# KiCad board universal_interface_adapter.kicad_pcb
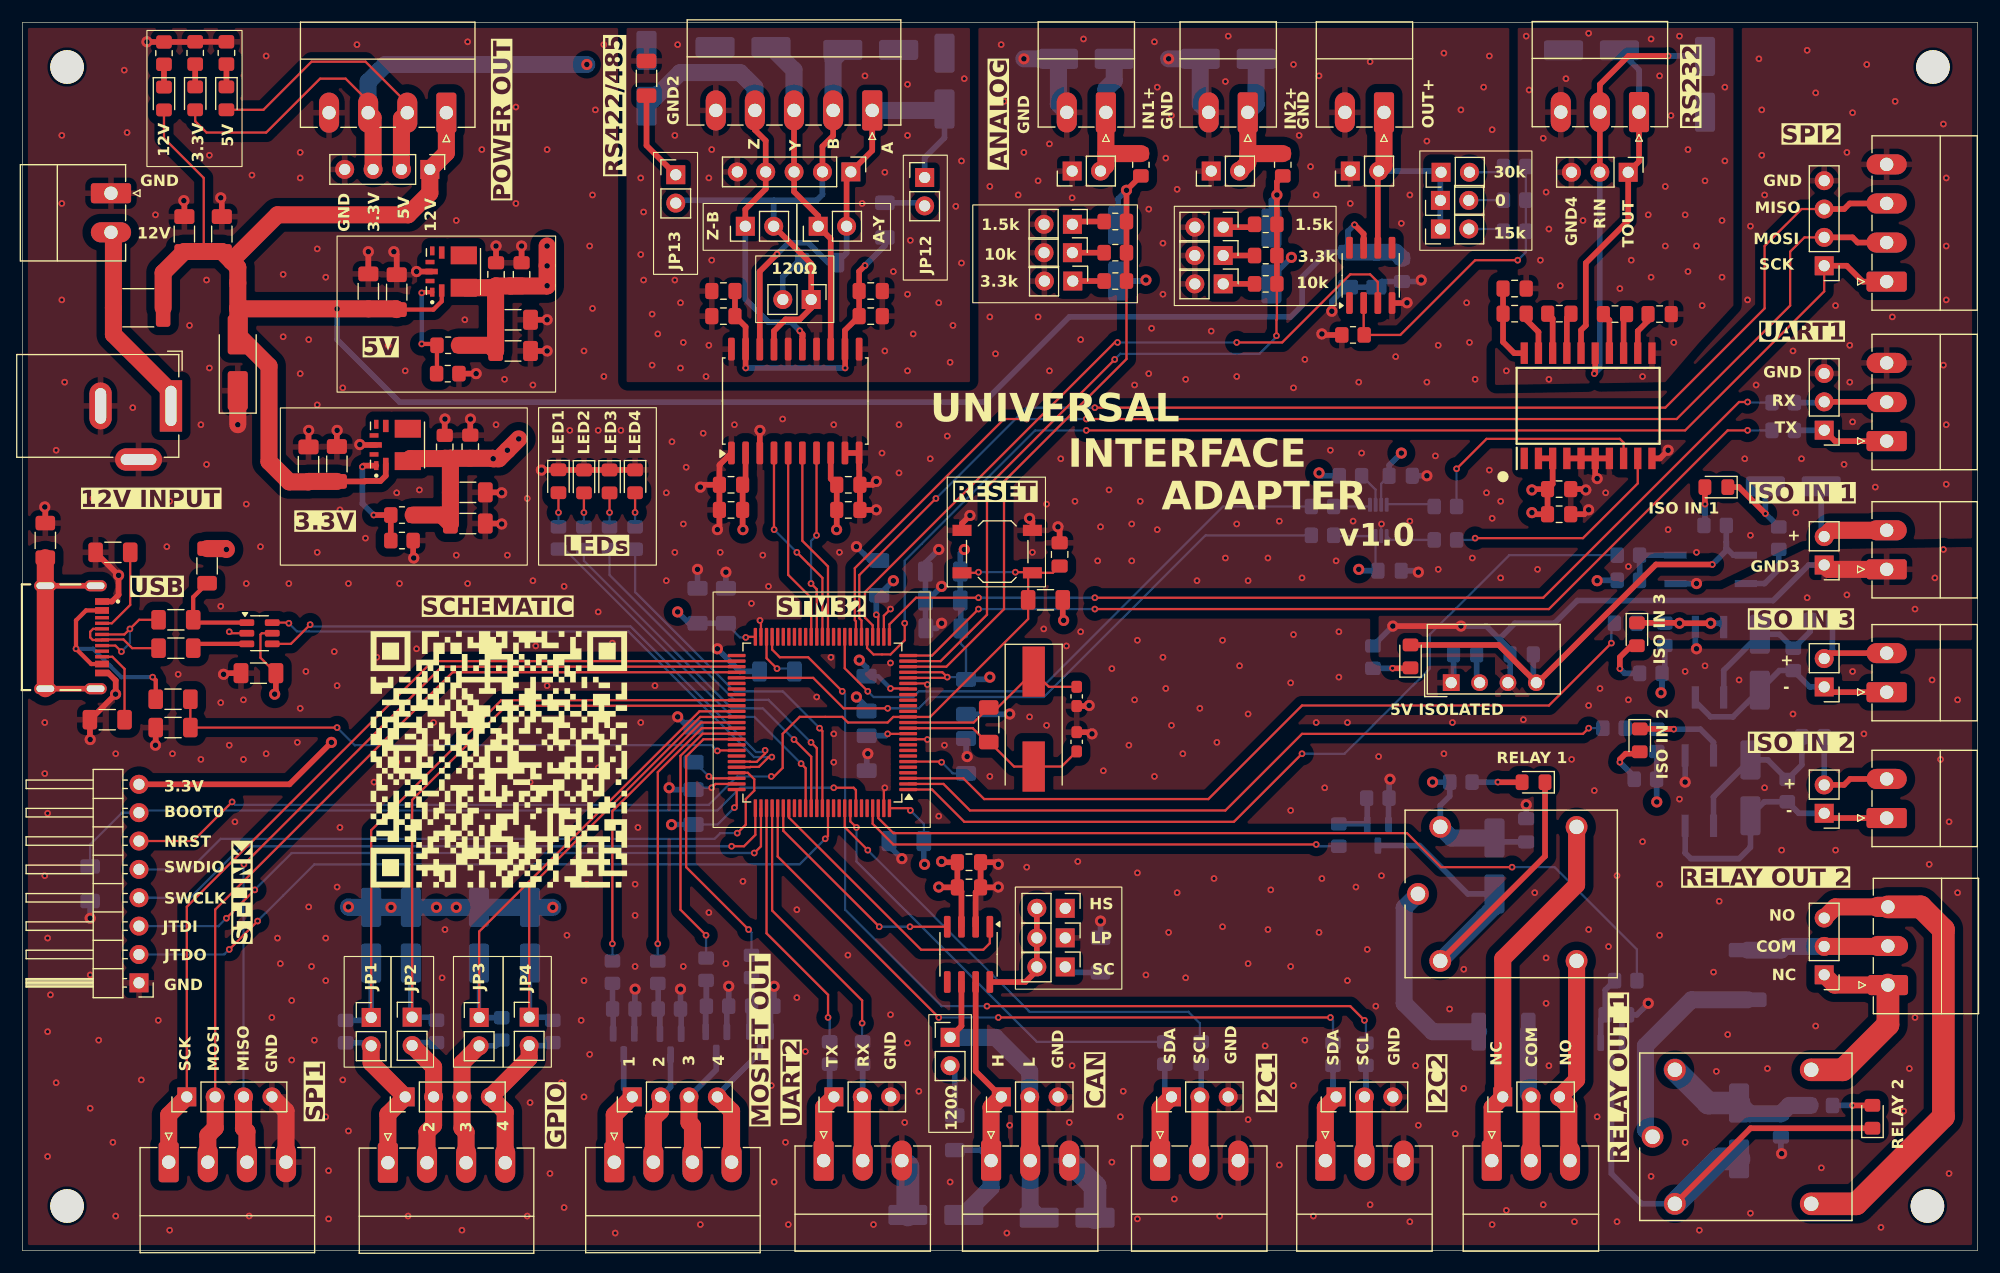
[diagram p0: board, top side]
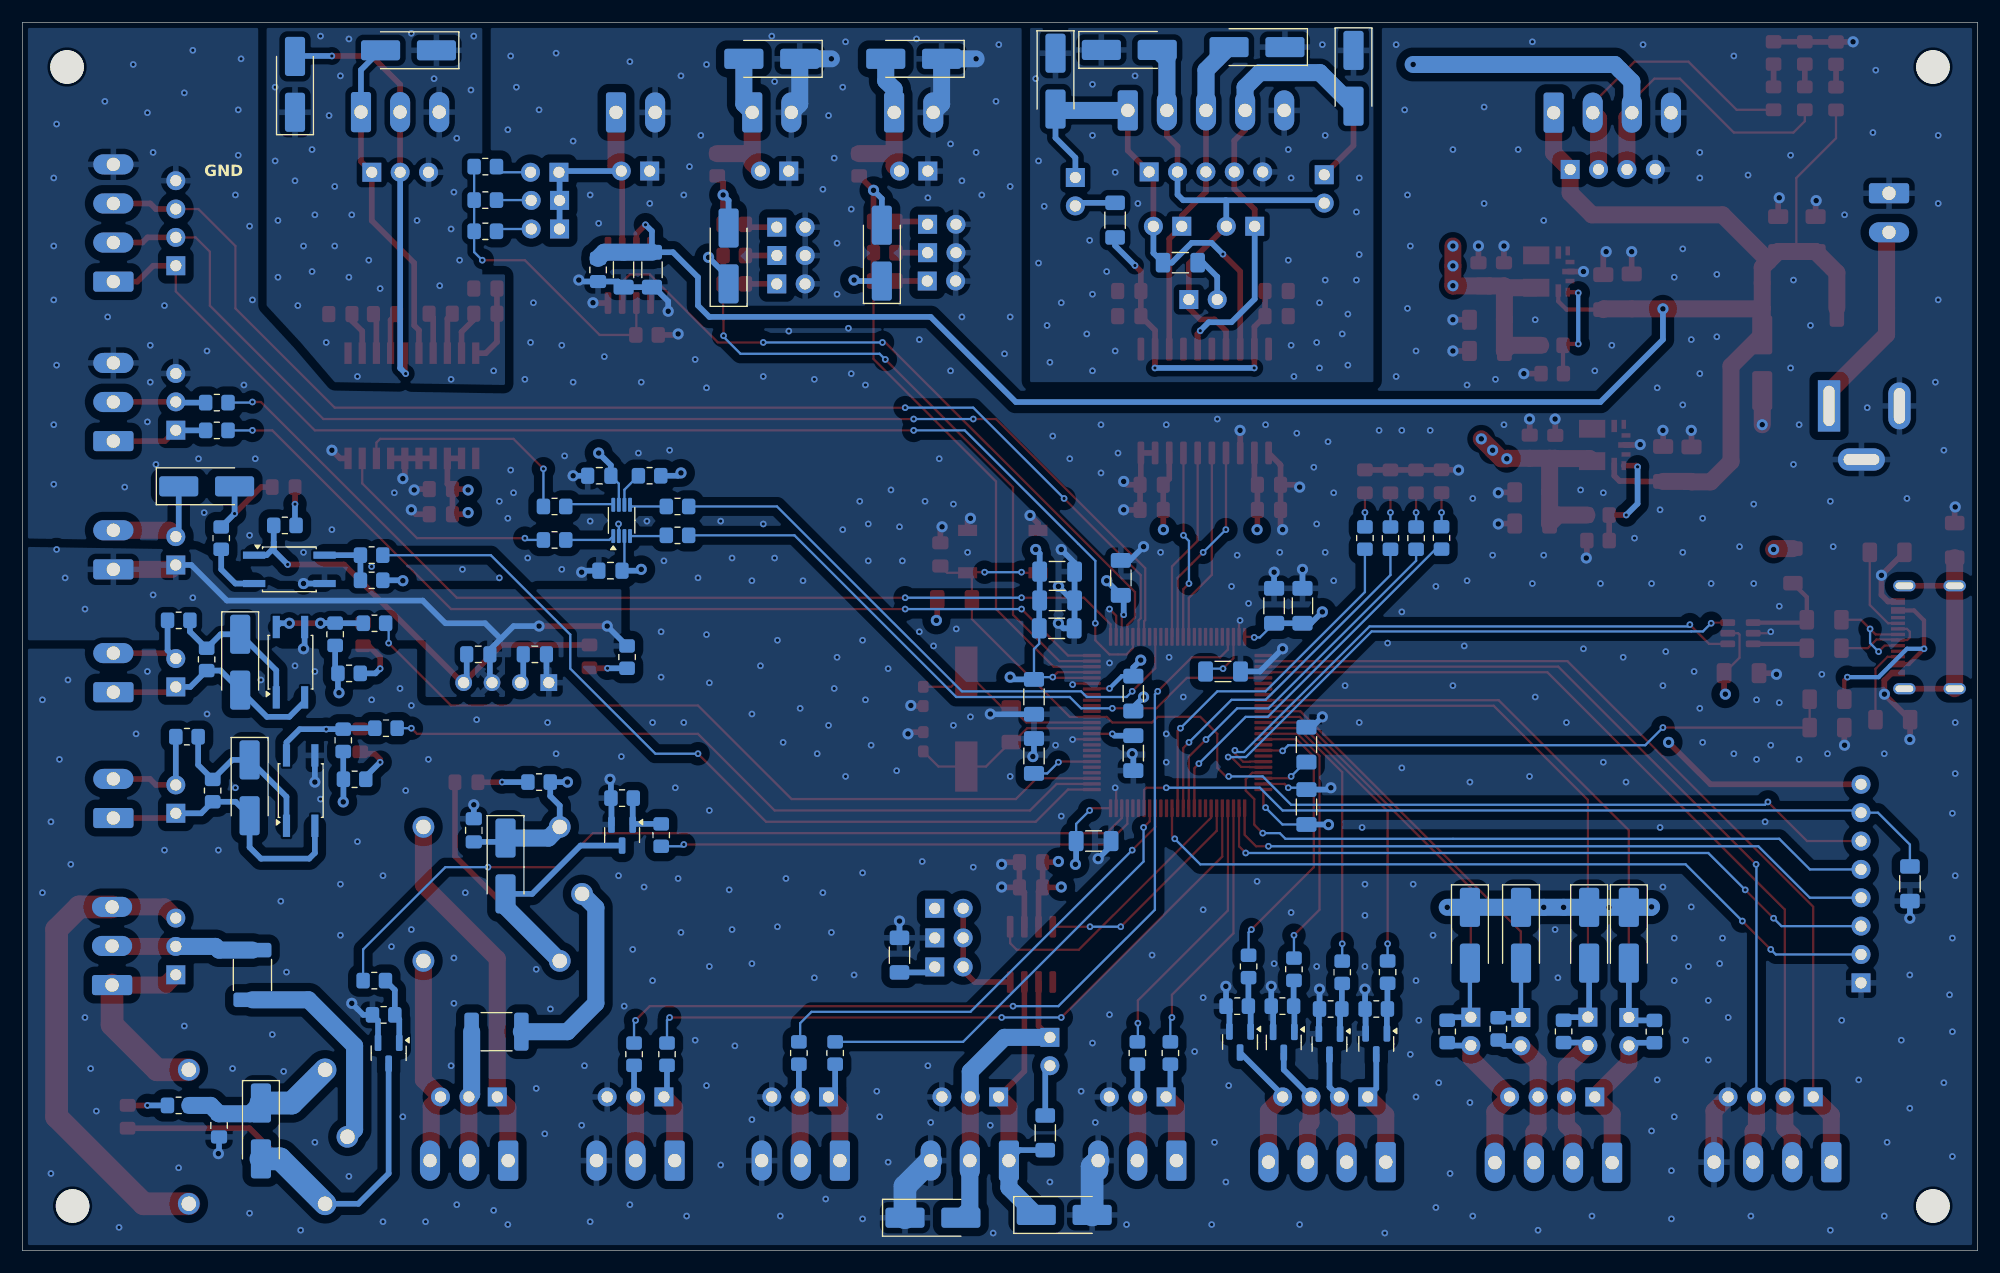
[diagram p1: board, bottom side, seen from below]

Outline 175 x 110 mm; copper layers: Top, In1.Cu, In2.Cu, Bottom. Coordinates in mm from the lower left corner of the outline.
Outline path: rectangle 0,110 175,0
Stack: Top 0.035mm / dielectric 0.1mm FR4 er 4.5 / In1.Cu 0.035mm / dielectric 1.24mm FR4 er 4.5 / In2.Cu 0.035mm / dielectric 0.1mm FR4 er 4.5 / Bottom 0.035mm

## Placement (name value [footprint] x y rotation side)
C1  20p  [C_0603_1608Metric_Pad1.08x0.95mm_HandSolder]  94.36 45.57 270 top
C2  20p  [C_0603_1608Metric_Pad1.08x0.95mm_HandSolder]  94.36 49.64 90 top
C3  100n  [C_1206_3216Metric_Pad1.33x1.80mm_HandSolder]  21.13 51.72 180 top
C4  4.7u  [C_1206_3216Metric_Pad1.33x1.80mm_HandSolder]  60.43 57.75 90 bottom
C5  100n  [C_1206_3216Metric_Pad1.33x1.80mm_HandSolder]  62.97 57.75 90 bottom
C6  100n  [C_1206_3216Metric_Pad1.33x1.80mm_HandSolder]  75.57 44.56 270 bottom
C7  100n  [C_1206_3216Metric_Pad1.33x1.80mm_HandSolder]  76.68 60.25 90 bottom
C8  100n  [C_0805_2012Metric_Pad1.18x1.45mm_HandSolder]  92.84 62.35 270 top
C9  100n  [C_1206_3216Metric_Pad1.33x1.80mm_HandSolder]  60.07 39.73 90 bottom
C10  2.2u  [C_1206_3216Metric_Pad1.33x1.80mm_HandSolder]  67.54 51.87 180 bottom
C11  100n  [C_1206_3216Metric_Pad1.33x1.80mm_HandSolder]  75.57 49.89 270 bottom
C12  2.2u  [C_1206_3216Metric_Pad1.33x1.80mm_HandSolder]  60.07 45.32 90 bottom
C13  100n  [C_1206_3216Metric_Pad1.33x1.80mm_HandSolder]  79.12 36.68 180 bottom
C14  1u  [C_1206_3216Metric_Pad1.33x1.80mm_HandSolder]  82.39 60.81 180 bottom
C15  100n  [C_1206_3216Metric_Pad1.33x1.80mm_HandSolder]  82.39 58.22 180 bottom
C16  100n  [C_1206_3216Metric_Pad1.33x1.80mm_HandSolder]  82.43 55.73 180 bottom
C17  100n  [C_1206_3216Metric_Pad1.33x1.80mm_HandSolder]  84.46 44.3 90 bottom
C18  100n  [C_1206_3216Metric_Pad1.33x1.80mm_HandSolder]  84.46 49.6 270 bottom
C19  1u  [C_0805_2012Metric_Pad1.18x1.45mm_HandSolder]  134.6 37.65 90 bottom
C20  1u  [C_0805_2012Metric_Pad1.18x1.45mm_HandSolder]  157.4 11.22 270 bottom
C21  100n  [C_0805_2012Metric_Pad1.18x1.45mm_HandSolder]  84.72 32.53 0 top
C22  10u  [C_0805_2012Metric_Pad1.18x1.45mm_HandSolder]  84.72 34.78 0 top
C23  10u  [C_0805_2012Metric_Pad1.18x1.45mm_HandSolder]  73.93 66.34 0 top
C24  100n  [C_0805_2012Metric_Pad1.18x1.45mm_HandSolder]  73.93 68.59 0 top
C25  100n  [C_0805_2012Metric_Pad1.18x1.45mm_HandSolder]  122.36 60.9 0 bottom
C26  100n  [C_0805_2012Metric_Pad1.18x1.45mm_HandSolder]  63.43 66.34 180 top
C27  10n  [C_0805_2012Metric_Pad1.18x1.45mm_HandSolder]  63.43 68.59 180 top
C28  100n  [C_0805_2012Metric_Pad1.18x1.45mm_HandSolder]  123.36 69.4 0 bottom
C29  100n  [C_0805_2012Metric_Pad1.18x1.45mm_HandSolder]  137.54 68.2 0 top
C30  100n  [C_0805_2012Metric_Pad1.18x1.45mm_HandSolder]  137.54 65.95 0 top
C31  100n  [C_0805_2012Metric_Pad1.18x1.45mm_HandSolder]  75.93 83.69 0 top
C32  10n  [C_0805_2012Metric_Pad1.18x1.45mm_HandSolder]  62.74 83.69 180 top
C33  10u  [C_0805_2012Metric_Pad1.18x1.45mm_HandSolder]  75.93 85.94 0 top
C34  100n  [C_0805_2012Metric_Pad1.18x1.45mm_HandSolder]  62.74 85.94 180 top
C35  100n  [C_0805_2012Metric_Pad1.18x1.45mm_HandSolder]  137.56 83.91 0 top
C36  100n  [C_0805_2012Metric_Pad1.18x1.45mm_HandSolder]  142.54 83.87 0 top
C37  100n  [C_0805_2012Metric_Pad1.18x1.45mm_HandSolder]  146.54 83.87 0 top
C38  100n  [C_0805_2012Metric_Pad1.18x1.45mm_HandSolder]  133.56 83.91 0 top
C39  100n  [C_0805_2012Metric_Pad1.18x1.45mm_HandSolder]  133.56 86.16 0 top
C40  10u  [C_1206_3216Metric_Pad1.33x1.80mm_HandSolder]  118.65 87.85 270 bottom
C41  100n  [C_1206_3216Metric_Pad1.33x1.80mm_HandSolder]  121.19 87.85 270 bottom
C42  10n  [C_0805_2012Metric_Pad1.18x1.45mm_HandSolder]  123.47 87.83 270 bottom
C43  10u  [C_1206_3216Metric_Pad1.33x1.80mm_HandSolder]  33.51 85.84 90 top
C44  10u  [C_1206_3216Metric_Pad1.33x1.80mm_HandSolder]  25.61 70.41 90 top
C45  10u  [C_1206_3216Metric_Pad1.33x1.80mm_HandSolder]  30.96 85.91 90 top
C46  10u  [C_1206_3216Metric_Pad1.33x1.80mm_HandSolder]  28.15 70.45 90 top
C47  10u  [C_1206_3216Metric_Pad1.33x1.80mm_HandSolder]  14.5 91.04 90 top
C48  10u  [C_1206_3216Metric_Pad1.33x1.80mm_HandSolder]  17.85 91.04 90 top
C49  22u  [C_1206_3216Metric_Pad1.33x1.80mm_HandSolder]  43.92 80.57 0 top
C50  22u  [C_1206_3216Metric_Pad1.33x1.80mm_HandSolder]  39.87 67.91 0 top
C51  22u  [C_1206_3216Metric_Pad1.33x1.80mm_HandSolder]  43.92 83.37 0 top
C52  22u  [C_1206_3216Metric_Pad1.33x1.80mm_HandSolder]  39.87 65.12 0 top
C53  22u  [C_0805_2012Metric_Pad1.18x1.45mm_HandSolder]  44.68 87.43 90 top
C54  22u  [C_0805_2012Metric_Pad1.18x1.45mm_HandSolder]  40.09 72 90 top
C55  22u  [C_0805_2012Metric_Pad1.18x1.45mm_HandSolder]  42.39 87.43 90 top
C56  22u  [C_0805_2012Metric_Pad1.18x1.45mm_HandSolder]  37.8 71.97 90 top
C57  1u  [C_0805_2012Metric_Pad1.18x1.45mm_HandSolder]  129.13 53.41 180 bottom
C58  1u  [C_0805_2012Metric_Pad1.18x1.45mm_HandSolder]  134.19 53.41 180 bottom
D1  LED_RED  [LED_0805_2012Metric_Pad1.15x1.40mm_HandSolder]  135.25 41.95 180 top
D2  LED_RED  [LED_0805_2012Metric_Pad1.15x1.40mm_HandSolder]  165.58 11.99 90 top
D3  D  [D_SMA_Handsoldering]  131.75 34.45 270 bottom
D4  D  [D_SMA_Handsoldering]  153.65 10.72 270 bottom
D5  D  [D_SMA_Handsoldering]  154.66 41.45 270 bottom
D6  D  [D_SMA_Handsoldering]  155.5 52.7 270 bottom
D7  LED_RED  [LED_0805_2012Metric_Pad1.15x1.40mm_HandSolder]  144.76 45.7 270 top
D8  LED_RED  [LED_0805_2012Metric_Pad1.15x1.40mm_HandSolder]  144.5 55.2 270 top
D9  D  [D_SMA_Handsoldering]  158.5 68.45 180 bottom
D10  LED_RED  [LED_0805_2012Metric_Pad1.15x1.40mm_HandSolder]  151.61 68.38 180 top
D11  D  [D_SMA_Handsoldering]  31.22 28.25 270 bottom
D12  D  [D_SMA_Handsoldering]  34.77 28.25 270 bottom
D13  LED_RED  [LED_0805_2012Metric_Pad1.15x1.40mm_HandSolder]  47.98 68.9 270 top
D14  D  [D_SMA_Handsoldering]  40.87 28.25 270 bottom
D15  D  [D_SMA_Handsoldering]  45.44 28.25 270 bottom
D16  LED_ORANGE  [LED_0805_2012Metric_Pad1.15x1.40mm_HandSolder]  50.27 68.89 270 top
D17  LED_YELLOW  [LED_0805_2012Metric_Pad1.15x1.40mm_HandSolder]  52.55 68.89 270 top
D18  LED_GREEN  [LED_0805_2012Metric_Pad1.15x1.40mm_HandSolder]  54.84 68.9 270 top
D19  D_TVS_Small  [D_SMA_Handsoldering]  81.75 3.2 180 bottom
D20  D_TVS_Small  [D_SMA_Handsoldering]  93.5 2.95 180 bottom
D21  D_TVS_Small  [D_SMA_Handsoldering]  64.5 107.78 0 bottom
D22  D_TVS_Small  [D_SMA_Handsoldering]  55.86 104.99 270 bottom
D23  D_TVS_Small  [D_SMA_Handsoldering]  82.53 104.73 270 bottom
D24  D_TVS_Small  [D_SMA_Handsoldering]  75.93 107.53 180 bottom
D25  D_TVS_Small  [D_SMA_Handsoldering]  150.6 104.45 90 bottom
D26  D_TVS_Small  [D_SMA_Handsoldering]  140.44 107.5 0 bottom
D27  D_TVS_Small  [D_SMA_Handsoldering]  95.23 106.73 0 bottom
D28  D_TVS_Small  [D_SMA_Handsoldering]  107.93 106.73 0 bottom
D29  D  [D_SMA_Handsoldering]  98.07 89.33 90 bottom
D30  D  [D_SMA_Handsoldering]  111.79 89.08 90 bottom
D31  35V TVS  [D_SMA_Handsoldering]  19.28 79.52 90 top
D32  LED GREEN  [LED_0805_2012Metric_Pad1.15x1.40mm_HandSolder]  12.68 103.18 270 top
D33  LED GREEN  [LED_0805_2012Metric_Pad1.15x1.40mm_HandSolder]  18.26 103.19 270 top
D34  LED GREEN  [LED_0805_2012Metric_Pad1.15x1.40mm_HandSolder]  15.47 103.19 270 top
D35  LED GREEN  [LED_0805_2012Metric_Pad1.15x1.40mm_HandSolder]  124.24 53.22 90 top
F1  RF1406-000  [Fuse_1812_4532Metric_Pad1.30x3.40mm_HandSolder]  132.56 19.61 0 bottom
F2  RF1406-000  [Fuse_1812_4532Metric_Pad1.30x3.40mm_HandSolder]  154.41 24.69 90 bottom
F3  RF1406-000  [Fuse_1812_4532Metric_Pad1.30x3.40mm_HandSolder]  10.38 84.44 0 top
G***  -  [LOGO]  42.65 44 0 top
H1  MountingHole  [MountingHole_3mm]  170.51 4 0 top
H2  MountingHole  [MountingHole_3mm]  171 106 0 top
H3  MountingHole  [MountingHole_3mm]  4 4 0 top
H4  MountingHole  [MountingHole_3mm]  4 106 0 top
IC1  ADM3251EARWZ-REEL  [SOIC127P1032X265-20N]  140.14 75.66 90 top
J1  Conn_01x08_Male  [PinHeader_1x08_P2.54mm_Horizontal]  10.44 23.98 180 top
J2  USB4800-03-A_REVA  [GCT_USB4800-03-A_REVA]  2.06 54.93 270 top
J3  Phoenix  [PhoenixContact_MC_1,5_3-G-3.5_1x03_P3.50mm_Horizontal]  131.51 8.07 0 top
J4  Phoenix  [PhoenixContact_MC_1,5_3-G-3.5_1x03_P3.50mm_Horizontal]  166.97 23.79 90 top
J5  Goldpin  [PinHeader_1x03_P2.54mm_Vertical]  132.5 13.77 90 top
J6  Goldpin  [PinHeader_1x03_P2.54mm_Vertical]  161.27 24.71 180 top
J7  Goldpin  [PinHeader_1x02_P2.54mm_Vertical]  161.27 39.17 180 top
J8  Goldpin  [PinHeader_1x02_P2.54mm_Vertical]  161.27 50.48 180 top
J9  Phoenix  [PhoenixContact_MC_1,5_2-G-3.5_1x02_P3.50mm_Horizontal]  166.85 38.74 90 top
J10  Phoenix  [PhoenixContact_MC_1,5_2-G-3.5_1x02_P3.50mm_Horizontal]  166.85 50.01 90 top
J11  Goldpin  [PinHeader_1x02_P2.54mm_Vertical]  161.27 61.41 180 top
J12  Phoenix  [PhoenixContact_MC_1,5_2-G-3.5_1x02_P3.50mm_Horizontal]  166.85 61.01 90 top
J13  Phoenix  [PhoenixContact_MC_1,5_4-G-3.5_1x04_P3.50mm_Horizontal]  52.98 7.93 0 top
J14  Goldpin  [PinHeader_1x04_P2.54mm_Vertical]  54.59 13.77 90 top
J15  Phoenix  [PhoenixContact_MC_1,5_4-G-3.5_1x04_P3.50mm_Horizontal]  32.71 7.88 0 top
J16  Goldpin  [PinHeader_1x04_P2.54mm_Vertical]  34.27 13.77 90 top
J17  Phoenix  [PhoenixContact_MC_1,5_3-G-3.5_1x03_P3.50mm_Horizontal]  86.7 8.07 0 top
J18  Goldpin  [PinHeader_1x03_P2.54mm_Vertical]  87.62 13.77 90 top
J19  Phoenix  [PhoenixContact_MC_1,5_3-G-3.5_1x03_P3.50mm_Horizontal]  144.69 101.96 180 top
J20  Phoenix  [PhoenixContact_MC_1,5_5-G-3.5_1x05_P3.50mm_Horizontal]  76.06 102.11 180 top
J21  Goldpin  [PinHeader_1x03_P2.54mm_Vertical]  143.72 96.57 270 top
J22  Goldpin  [PinHeader_1x05_P2.54mm_Vertical]  74.15 96.61 270 top
J23  Phoenix  [PhoenixContact_MC_1,5_2-G-3.5_1x02_P3.50mm_Horizontal]  121.87 101.93 180 top
J24  Goldpin  [PinHeader_1x02_P2.54mm_Vertical]  118.85 96.68 90 top
J25  Goldpin  [PinHeader_1x02_P2.54mm_Vertical]  93.96 96.68 90 top
J26  Goldpin  [PinHeader_1x02_P2.54mm_Vertical]  106.4 96.68 90 top
J27  Phoenix  [PhoenixContact_MC_1,5_2-G-3.5_1x02_P3.50mm_Horizontal]  96.98 101.93 180 top
J28  Phoenix  [PhoenixContact_MC_1,5_2-G-3.5_1x02_P3.50mm_Horizontal]  109.68 101.93 180 top
J29  Conn_01x02  [PhoenixContact_MC_1,5_2-G-3.5_1x02_P3.50mm_Horizontal]  7.93 94.7 270 top
J30  Barrel_Jack_Switch  [BarrelJack_GCT_DCJ200-10-A_Horizontal]  13.3 75.65 270 top
J31  Phoenix  [PhoenixContact_MC_1,5_4-G-3.5_1x04_P3.50mm_Horizontal]  37.95 101.91 180 top
J32  Goldpin  [PinHeader_1x04_P2.54mm_Vertical]  36.47 96.83 270 top
J33  Phoenix  [PhoenixContact_MC_1,5_4-G-3.5_1x04_P3.50mm_Horizontal]  13.1 7.93 0 top
J34  Phoenix  [PhoenixContact_MC_1,5_4-G-3.5_1x04_P3.50mm_Horizontal]  166.85 86.78 90 top
J35  Phoenix  [PhoenixContact_MC_1,5_3-G-3.5_1x03_P3.50mm_Horizontal]  166.85 72.5 90 top
J36  Phoenix  [PhoenixContact_MC_1,5_3-G-3.5_1x03_P3.50mm_Horizontal]  71.72 8.07 0 top
J37  Goldpin  [PinHeader_1x03_P2.54mm_Vertical]  161.27 73.47 180 top
J38  Goldpin  [PinHeader_1x03_P2.54mm_Vertical]  72.63 13.77 90 top
J39  Goldpin  [PinHeader_1x04_P2.54mm_Vertical]  14.72 13.77 90 top
J40  Goldpin  [PinHeader_1x04_P2.54mm_Vertical]  161.27 88.2 180 top
J41  Phoenix  [PhoenixContact_MC_1,5_3-G-3.5_1x03_P3.50mm_Horizontal]  101.83 8.07 0 top
J42  Phoenix  [PhoenixContact_MC_1,5_3-G-3.5_1x03_P3.50mm_Horizontal]  116.62 8.07 0 top
J43  Goldpin  [PinHeader_1x03_P2.54mm_Vertical]  102.85 13.77 90 top
J44  Goldpin  [PinHeader_1x03_P2.54mm_Vertical]  117.58 13.77 90 top
JP1  Jumper  [PinHeader_1x02_P2.54mm_Vertical]  31.22 20.89 0 top
JP2  Jumper  [PinHeader_1x02_P2.54mm_Vertical]  34.88 20.91 0 top
JP3  Jumper  [PinHeader_1x02_P2.54mm_Vertical]  40.88 20.88 0 top
JP4  Jumper  [PinHeader_1x02_P2.54mm_Vertical]  45.36 20.91 0 top
JP5  HS  [PinHeader_1x02_P2.54mm_Vertical]  93.34 30.66 270 top
JP6  LP  [PinHeader_1x02_P2.54mm_Vertical]  93.34 28.01 270 top
JP7  SC  [PinHeader_1x02_P2.54mm_Vertical]  93.34 25.41 270 top
JP8  Jumper  [PinHeader_1x02_P2.54mm_Vertical]  83.03 19.1 0 top
JP9  Jumper  [PinHeader_1x02_P2.54mm_Vertical]  64.71 91.74 90 top
JP10  Jumper  [PinHeader_1x02_P2.54mm_Vertical]  71.23 91.74 90 top
JP11  Jumper  [PinHeader_1x02_P2.54mm_Vertical]  70.6 85.18 270 top
JP12  Jumper  [PinHeader_1x02_P2.54mm_Vertical]  80.75 96.1 0 top
JP13  Jumper  [PinHeader_1x02_P2.54mm_Vertical]  58.48 96.35 0 top
JP14  Jumper  [PinHeader_1x02_P2.54mm_Vertical]  126.98 96.57 90 top
JP15  Jumper  [PinHeader_1x02_P2.54mm_Vertical]  126.92 91.49 90 top
JP16  Jumper  [PinHeader_1x02_P2.54mm_Vertical]  126.92 94.05 90 top
JP17  Jumper  [PinHeader_1x02_P2.54mm_Vertical]  93.98 91.91 270 top
JP18  Jumper  [PinHeader_1x02_P2.54mm_Vertical]  107.48 91.66 270 top
JP19  Jumper  [PinHeader_1x02_P2.54mm_Vertical]  94.01 86.83 270 top
JP20  Jumper  [PinHeader_1x02_P2.54mm_Vertical]  107.47 89.12 270 top
JP21  Jumper  [PinHeader_1x02_P2.54mm_Vertical]  93.98 89.37 270 top
JP22  Jumper  [PinHeader_1x02_P2.54mm_Vertical]  107.48 86.58 270 top
K1  LEG-5  [RELAY_LEG-24]  133.25 31.95 0 top
K2  LEG-5  [RELAY_LEG-24]  154.25 10.2 0 top
Q1  IRLML6244  [SOT-23]  121.32 37.22 270 bottom
Q2  IRLML6244  [SOT-23]  142.22 17.68 270 bottom
Q3  IRLML6244  [SOT-23]  53.82 18.52 270 bottom
Q4  IRLML6244  [SOT-23]  58.01 18.49 270 bottom
Q5  IRLML6244  [SOT-23]  62.1 18.65 270 bottom
Q6  IRLML6244  [SOT-23]  66.02 18.69 270 bottom
R1  DNP  [R_1206_3216Metric_Pad1.30x1.75mm_HandSolder]  16.53 61.32 270 top
R2  20  [R_1206_3216Metric_Pad1.30x1.75mm_HandSolder]  13.74 56.5 0 top
R3  20  [R_1206_3216Metric_Pad1.30x1.75mm_HandSolder]  13.74 53.96 180 top
R4  5.1k  [R_1206_3216Metric_Pad1.30x1.75mm_HandSolder]  8.1 62.54 180 top
R5  DNP  [R_1206_3216Metric_Pad1.30x1.75mm_HandSolder]  2.06 63.61 90 top
R6  DNP  [R_1206_3216Metric_Pad1.30x1.75mm_HandSolder]  86.49 47.1 90 top
R7  5.1k  [R_1206_3216Metric_Pad1.30x1.75mm_HandSolder]  7.6 47.55 180 top
R8  10k  [R_1206_3216Metric_Pad1.30x1.75mm_HandSolder]  91.57 58.29 0 top
R9  10k  [R_1206_3216Metric_Pad1.30x1.75mm_HandSolder]  6.06 32.86 90 bottom
R10  33k  [R_1206_3216Metric_Pad1.30x1.75mm_HandSolder]  13.49 49.38 0 top
R11  82k  [R_1206_3216Metric_Pad1.30x1.75mm_HandSolder]  13.49 46.84 180 top
R12  1k  [R_0805_2012Metric_Pad1.20x1.40mm_HandSolder]  117.82 37.22 90 bottom
R13  1k  [R_0805_2012Metric_Pad1.20x1.40mm_HandSolder]  143.5 24.18 180 bottom
R14  2.2k  [R_0805_2012Metric_Pad1.20x1.40mm_HandSolder]  128.75 41.96 180 bottom
R15  2.2k  [R_0805_2012Metric_Pad1.20x1.40mm_HandSolder]  161.01 13.01 180 bottom
R16  10k  [R_0805_2012Metric_Pad1.20x1.40mm_HandSolder]  121.32 40.53 180 bottom
R17  10k  [R_0805_2012Metric_Pad1.20x1.40mm_HandSolder]  142.66 21.12 180 bottom
R18  4.7k  [R_0805_2012Metric_Pad1.20x1.40mm_HandSolder]  160.27 46.03 180 bottom
R19  4.7k  [R_0805_2012Metric_Pad1.20x1.40mm_HandSolder]  161 56.45 180 bottom
R20  10k  [R_0805_2012Metric_Pad1.20x1.40mm_HandSolder]  157.96 41.2 90 bottom
R21  10k  [R_0805_2012Metric_Pad1.20x1.40mm_HandSolder]  158.5 52.95 90 bottom
R22  10k  [R_0805_2012Metric_Pad1.20x1.40mm_HandSolder]  146.28 45.7 90 bottom
R23  10k  [R_0805_2012Metric_Pad1.20x1.40mm_HandSolder]  147 55.2 90 bottom
R24  2.2k  [R_0805_2012Metric_Pad1.20x1.40mm_HandSolder]  145.26 42.22 0 bottom
R25  2.2k  [R_0805_2012Metric_Pad1.20x1.40mm_HandSolder]  145.75 51.7 0 bottom
R26  200  [R_0805_2012Metric_Pad1.20x1.40mm_HandSolder]  142.45 46.79 0 bottom
R27  200  [R_0805_2012Metric_Pad1.20x1.40mm_HandSolder]  143.49 56.19 0 bottom
R28  2.2k  [R_0805_2012Metric_Pad1.20x1.40mm_HandSolder]  151.5 64.95 0 bottom
R29  1k  [R_0805_2012Metric_Pad1.20x1.40mm_HandSolder]  157.2 63.81 270 bottom
R30  10k  [R_0805_2012Metric_Pad1.20x1.40mm_HandSolder]  143.74 60.03 0 bottom
R31  200  [R_0805_2012Metric_Pad1.20x1.40mm_HandSolder]  143.74 62.28 0 bottom
R32  1k  [R_0805_2012Metric_Pad1.20x1.40mm_HandSolder]  52.81 24.95 270 bottom
R33  1k  [R_0805_2012Metric_Pad1.20x1.40mm_HandSolder]  56.87 24.93 270 bottom
R34  1k  [R_0805_2012Metric_Pad1.20x1.40mm_HandSolder]  61.19 25.2 270 bottom
R35  1k  [R_0805_2012Metric_Pad1.20x1.40mm_HandSolder]  65.25 25.45 270 bottom
R36  10k  [R_0805_2012Metric_Pad1.20x1.40mm_HandSolder]  53.82 21.64 180 bottom
R37  10k  [R_0805_2012Metric_Pad1.20x1.40mm_HandSolder]  57.9 21.64 180 bottom
R38  10k  [R_0805_2012Metric_Pad1.20x1.40mm_HandSolder]  62.22 21.9 180 bottom
R39  10k  [R_0805_2012Metric_Pad1.20x1.40mm_HandSolder]  66.27 21.9 180 bottom
R40  100  [R_0805_2012Metric_Pad1.20x1.40mm_HandSolder]  28.93 19.62 90 bottom
R41  100  [R_0805_2012Metric_Pad1.20x1.40mm_HandSolder]  37.06 19.64 90 bottom
R42  2.2k  [R_0805_2012Metric_Pad1.20x1.40mm_HandSolder]  47.98 63.83 270 bottom
R43  2.2k  [R_0805_2012Metric_Pad1.20x1.40mm_HandSolder]  50.26 63.81 270 bottom
R44  100  [R_0805_2012Metric_Pad1.20x1.40mm_HandSolder]  42.9 19.87 90 bottom
R45  100  [R_0805_2012Metric_Pad1.20x1.40mm_HandSolder]  47.47 19.63 90 bottom
R46  2.2k  [R_0805_2012Metric_Pad1.20x1.40mm_HandSolder]  52.55 63.81 270 bottom
R47  2.2k  [R_0805_2012Metric_Pad1.20x1.40mm_HandSolder]  54.84 63.82 270 bottom
R48  47k  [R_1206_3216Metric_Pad1.30x1.75mm_HandSolder]  96.5 26.47 90 bottom
R49  120  [R_1206_3216Metric_Pad1.30x1.75mm_HandSolder]  83.45 10.55 90 bottom
R50  10  [R_0805_2012Metric_Pad1.20x1.40mm_HandSolder]  116.36 66.65 180 bottom
R51  10  [R_0805_2012Metric_Pad1.20x1.40mm_HandSolder]  116.36 64.06 0 bottom
R52  10k  [R_0805_2012Metric_Pad1.20x1.40mm_HandSolder]  118.86 69.4 180 bottom
R53  10  [R_0805_2012Metric_Pad1.20x1.40mm_HandSolder]  127.36 66.65 180 bottom
R54  10  [R_0805_2012Metric_Pad1.20x1.40mm_HandSolder]  127.36 63.65 0 bottom
R55  560  [R_1206_3216Metric_Pad1.30x1.75mm_HandSolder]  77.2 92.29 90 bottom
R56  560  [R_1206_3216Metric_Pad1.30x1.75mm_HandSolder]  55.86 104.99 90 top
R57  120  [R_1206_3216Metric_Pad1.30x1.75mm_HandSolder]  71.36 88.48 0 bottom
R58  10k  [R_0805_2012Metric_Pad1.20x1.40mm_HandSolder]  119.09 82.01 0 top
R59  30k  [R_0805_2012Metric_Pad1.20x1.40mm_HandSolder]  133.56 97.08 180 bottom
R60  15k  [R_0805_2012Metric_Pad1.20x1.40mm_HandSolder]  133.56 91.29 180 bottom
R61  0  [R_0805_2012Metric_Pad1.20x1.40mm_HandSolder]  133.56 94.08 180 bottom
R62  10k  [R_0805_2012Metric_Pad1.20x1.40mm_HandSolder]  100.11 97.25 90 top
R63  1.5k  [R_0805_2012Metric_Pad1.20x1.40mm_HandSolder]  97.82 92.17 0 top
R64  10k  [R_0805_2012Metric_Pad1.20x1.40mm_HandSolder]  112.81 97.25 90 top
R65  1.5k  [R_0805_2012Metric_Pad1.20x1.40mm_HandSolder]  111.28 91.91 0 top
R66  3.3k  [R_0805_2012Metric_Pad1.20x1.40mm_HandSolder]  97.82 86.83 0 top
R67  3.3k  [R_0805_2012Metric_Pad1.20x1.40mm_HandSolder]  111.28 89.12 0 top
R68  10k  [R_0805_2012Metric_Pad1.20x1.40mm_HandSolder]  97.82 89.37 0 top
R69  10k  [R_0805_2012Metric_Pad1.20x1.40mm_HandSolder]  111.28 86.58 0 top
R70  1.37k  [R_0805_2012Metric_Pad1.20x1.40mm_HandSolder]  38.08 78.54 0 top
R71  2.21k  [R_0805_2012Metric_Pad1.20x1.40mm_HandSolder]  33.98 63.59 0 top
R72  10k  [R_0805_2012Metric_Pad1.20x1.40mm_HandSolder]  38.11 81.08 0 top
R73  10k  [R_0805_2012Metric_Pad1.20x1.40mm_HandSolder]  33.98 65.88 0 top
R74  2.2k  [R_0805_2012Metric_Pad1.20x1.40mm_HandSolder]  12.68 107.24 90 top
R75  2.2k  [R_0805_2012Metric_Pad1.20x1.40mm_HandSolder]  18.26 107.26 90 top
R76  2.2k  [R_0805_2012Metric_Pad1.20x1.40mm_HandSolder]  15.47 107.26 90 top
R77  2.2k  [R_0805_2012Metric_Pad1.20x1.40mm_HandSolder]  120.88 53.16 90 bottom
R79  10  [R_0805_2012Metric_Pad1.20x1.40mm_HandSolder]  157.59 73.46 180 bottom
R80  10  [R_0805_2012Metric_Pad1.20x1.40mm_HandSolder]  157.59 75.94 180 bottom
R81  10  [R_0805_2012Metric_Pad1.20x1.40mm_HandSolder]  72.25 17.7 90 bottom
R82  10  [R_0805_2012Metric_Pad1.20x1.40mm_HandSolder]  75.2 17.7 90 bottom
R83  10  [R_0805_2012Metric_Pad1.20x1.40mm_HandSolder]  102.25 17.7 90 bottom
R84  10  [R_0805_2012Metric_Pad1.20x1.40mm_HandSolder]  105.5 17.7 90 bottom
R85  10  [R_0805_2012Metric_Pad1.20x1.40mm_HandSolder]  117.3 17.59 90 bottom
R86  10  [R_0805_2012Metric_Pad1.20x1.40mm_HandSolder]  120.25 17.59 90 bottom
SW1  SW_Push  [SW_SPST_TL3342]  87.25 62.6 180 top
U1  USBLC6-2SC6  [SOT-23-6]  21.23 55.29 0 top
U2  STM32F446VETx  [LQFP-100_14x14mm_P0.5mm]  71.6 47.3 180 top
U3  LTV-356T  [SO-4_4.4x3.6mm_P2.54mm]  150.09 41.2 90 bottom
U4  LTV-356T  [SO-4_4.4x3.6mm_P2.54mm]  151 52.7 90 bottom
U5  LTV-356T  [SO-4_4.4x3.6mm_P2.54mm]  151.11 61.01 180 bottom
U6  SN65HVD230  [SOIC-8_3.9x4.9mm_P1.27mm]  84.69 26.53 270 top
U7  TXB0102DCU  [VSSOP-8_2.3x2mm_P0.5mm]  121.36 65.4 90 bottom
U8  ADM2582E  [SOIC-20W_7.5x12.8mm_P1.27mm]  69.18 76.09 90 top
U9  OPA197xD  [SOIC-8_3.9x4.9mm_P1.27mm]  120.68 87.34 90 top
U10  RPX-2.5-R  [CONV_RPX-2.5-R]  38.58 87.68 90 top
U11  RPX-2.5-R  [CONV_RPX-2.5-R]  33.58 72.15 90 top
U12  TEA1-0505  [Converter_DCDC_TRACO_TEA1-xxxx_THT]  127.88 50.87 90 top
Y1  8MHz  [Crystal_SMD_HC49-SD]  90.52 47.6 270 top
